# Allegro board TDI_KU5P_QSFP28_CXP_V001-20240805_1841.brd (continued)
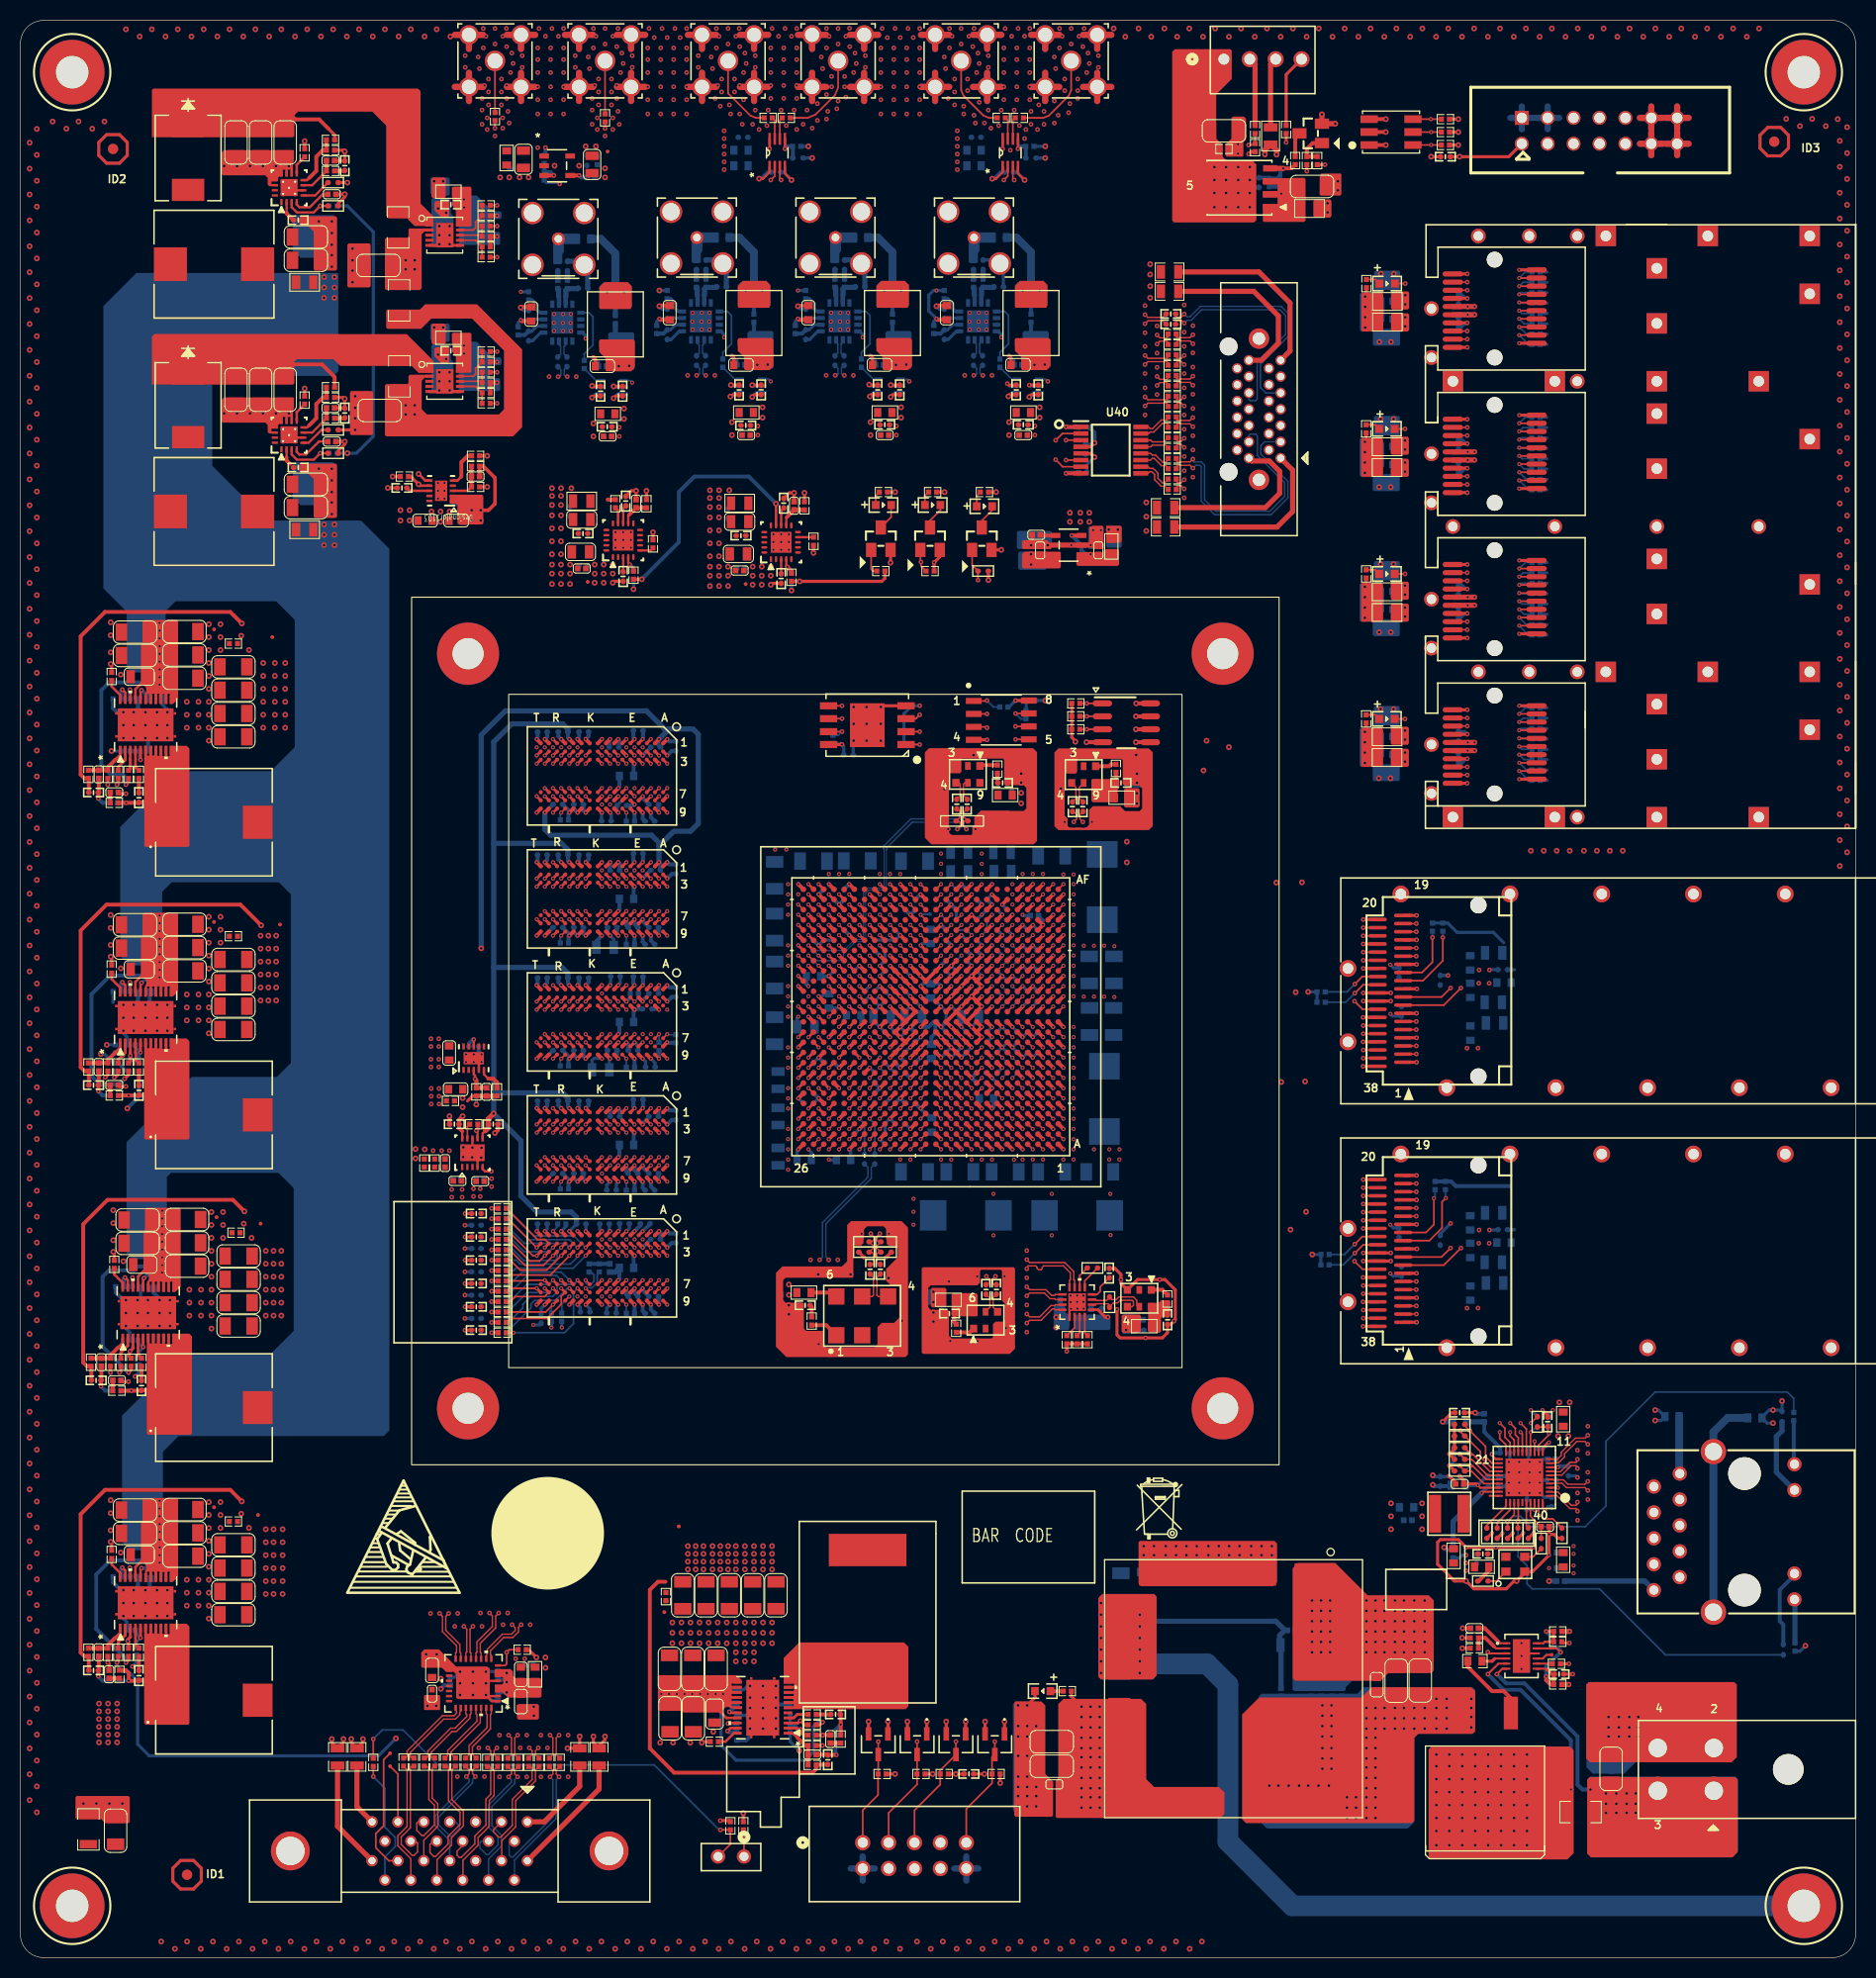
[diagram p0: board, top side]
## Routing (per net, layer and track width the routed paths; a pad name or vN(x,y) marks a point on that pad's centre or on a via; arc(x,y) is an arc through that point) (continued)
  GND02 w0.61: J3.13 162.5,179.02 ; J3.13 163.62,177.9 ; J3.13 161.38,177.9 ; J3.13 162.5,176.78 ; 88.33,183.48 J15.5 ; J15.5 89.72,184.86 ; J15.5 89.72,182.09 ; J15.5 91.1,183.48 ; 104.23,188.58 J17.3 ; J17.3 105.62,187.2 ; J17.3 107,188.58 ; 99.13,183.48 J17.5 ; J17.5 101.9,183.48 ; J17.5 100.51,184.86 ; J17.5 100.51,182.09 ; 53.41,188.58 J16.4 ; J16.4 54.79,187.2 ; J16.4 56.18,188.58 ; 76.27,183.48 J20.5 ; J20.5 77.65,184.86 ; J20.5 79.04,183.48 ; J20.5 77.65,182.09 ; 147.26,179.32 J3.2 ; J3.2 148.38,180.44 ; J3.2 146.14,180.44 ; J3.2 147.26,181.56 ; J3.4 149.8,181.56 ; J3.4 149.8,179.32 ; J3.4 148.68,180.44 ; J3.4 150.92,180.44 ; 100.51,187.2 J17.4 ; J17.4 99.13,188.58 ; J17.4 101.9,188.58 ; J18.5 45.38,183.48 ; J18.5 44,184.86 ; J18.5 44,182.09 ; J18.5 42.61,183.48 ; 65.47,183.48 J19.5 ; J19.5 66.86,184.86 ; J19.5 66.86,182.09 ; J19.5 68.24,183.48 ; J17.2 105.62,184.86 ; J17.2 105.62,182.09 ; J17.2 104.23,183.48 ; J17.2 107,183.48 ; 71.96,187.2 J19.3 ; J19.3 73.35,188.58 ; J19.3 70.58,188.58 ; J18.2 50.49,183.48 ; J18.2 49.1,184.86 ; J18.2 49.1,182.09 ; J18.2 47.72,183.48 ; J3.12 161.08,180.44 ; J3.12 159.96,179.32 ; J3.12 159.96,181.56 ; J3.12 158.84,180.44 ; J1.10 93.96,8.74 ; J1.10 92.78,9.92 ; J1.10 91.59,8.74 ; J1.10 92.78,7.56 ; 81.37,188.58 J20.3 ; J20.3 84.14,188.58 ; J20.3 82.76,187.2 ; 42.61,188.58 J18.4 ; J18.4 44,187.2 ; J18.4 45.38,188.58 ; J19.4 68.24,188.58 ; J19.4 66.86,187.2 ; J19.4 65.47,188.58 ; 59.9,187.2 J16.3 ; J16.3 58.51,188.58 ; J16.3 61.28,188.58 ; 81.37,183.48 J20.2 ; J20.2 84.14,183.48 ; J20.2 82.76,184.86 ; J20.2 82.76,182.09 ; J19.2 71.96,184.86 ; J19.2 73.35,183.48 ; J19.2 70.58,183.48 ; J19.2 71.96,182.09 ; 47.72,188.58 J18.3 ; J18.3 50.49,188.58 ; J18.3 49.1,187.2 ; J3.11 159.96,179.02 ; J3.11 161.08,177.9 ; J3.11 158.84,177.9 ; J3.11 159.96,176.78 ; 88.33,188.58 J15.4 ; J15.4 89.72,187.2 ; J15.4 91.1,188.58 ; 94.82,182.09 J15.2 ; J15.2 94.82,184.86 ; J15.2 96.21,183.48 ; J15.2 93.44,183.48 ; 81.43,8.74 J1.2 ; J1.2 82.62,7.56 ; J1.2 83.8,8.74 ; J1.2 82.62,9.92 ; 54.79,182.09 J16.5 ; J16.5 53.41,183.48 ; J16.5 56.18,183.48 ; J16.5 54.79,184.86 ; J3.14 162.5,181.56 ; J3.14 163.62,180.44 ; J3.14 161.38,180.44 ; J3.14 162.5,179.32 ; 93.44,188.58 J15.3 ; J15.3 94.82,187.2 ; J15.3 96.21,188.58 ; J16.2 61.28,183.48 ; J16.2 58.51,183.48 ; J16.2 59.9,184.86 ; J16.2 59.9,182.09 ; 76.27,188.58 J20.4 ; J20.4 77.65,187.2 ; J20.4 79.04,188.58
  ART03 w0.61: J17.4 101.9,188.58 ; J17.4 100.51,187.2 ; J17.4 99.13,188.58 ; 76.27,188.58 J20.4 ; J20.4 77.65,187.2 ; J20.4 79.04,188.58 ; 76.27,183.48 J20.5 ; J20.5 77.65,184.86 ; J20.5 77.65,182.09 ; J20.5 79.04,183.48 ; 158.84,177.9 J3.11 ; J3.11 159.96,179.02 ; J3.11 159.96,176.78 ; J3.11 161.08,177.9 ; J3.13 162.5,179.02 ; J3.13 162.5,176.78 ; J3.13 163.62,177.9 ; J3.13 161.38,177.9 ; 53.41,183.48 J16.5 ; J16.5 54.79,182.09 ; J16.5 54.79,184.86 ; J16.5 56.18,183.48 ; 88.33,183.48 J15.5 ; J15.5 89.72,184.86 ; J15.5 89.72,182.09 ; J15.5 91.1,183.48 ; 65.47,188.58 J19.4 ; J19.4 68.24,188.58 ; J19.4 66.86,187.2 ; J19.5 68.24,183.48 ; J19.5 66.86,184.86 ; J19.5 66.86,182.09 ; J19.5 65.47,183.48 ; 49.1,182.09 J18.2 ; J18.2 50.49,183.48 ; J18.2 47.72,183.48 ; J18.2 49.1,184.86 ; J16.2 61.28,183.48 ; J16.2 58.51,183.48 ; J16.2 59.9,184.86 ; J16.2 59.9,182.09 ; 81.37,188.58 J20.3 ; J20.3 82.76,187.2 ; J20.3 84.14,188.58 ; 54.79,187.2 J16.4 ; J16.4 56.18,188.58 ; J16.4 53.41,188.58 ; J20.2 82.76,184.86 ; J20.2 82.76,182.09 ; J20.2 81.37,183.48 ; J20.2 84.14,183.48 ; 44,182.09 J18.5 ; J18.5 42.61,183.48 ; J18.5 45.38,183.48 ; J18.5 44,184.86 ; 42.61,188.58 J18.4 ; J18.4 45.38,188.58 ; J18.4 44,187.2 ; 94.82,182.09 J15.2 ; J15.2 94.82,184.86 ; J15.2 93.44,183.48 ; J15.2 96.21,183.48 ; J15.4 91.1,188.58 ; J15.4 89.72,187.2 ; J15.4 88.33,188.58 ; J15.3 96.21,188.58 ; J15.3 93.44,188.58 ; J15.3 94.82,187.2 ; 105.62,182.09 J17.2 ; J17.2 105.62,184.86 ; J17.2 104.23,183.48 ; J17.2 107,183.48 ; J17.3 107,188.58 ; J17.3 105.62,187.2 ; J17.3 104.23,188.58 ; J16.3 61.28,188.58 ; J16.3 58.51,188.58 ; J16.3 59.9,187.2 ; J3.14 162.5,181.56 ; J3.14 162.5,179.32 ; J3.14 163.62,180.44 ; J3.14 161.38,180.44 ; J3.12 161.08,180.44 ; J3.12 158.84,180.44 ; J3.12 159.96,181.56 ; J3.12 159.96,179.32 ; J17.5 101.9,183.48 ; J17.5 99.13,183.48 ; J17.5 100.51,182.09 ; J17.5 100.51,184.86 ; 49.1,187.2 J18.3 ; J18.3 47.72,188.58 ; J18.3 50.49,188.58 ; J19.2 71.96,184.86 ; J19.2 73.35,183.48 ; J19.2 71.96,182.09 ; J19.2 70.58,183.48 ; J19.3 73.35,188.58 ; J19.3 70.58,188.58 ; J19.3 71.96,187.2
  GND04 w0.61: 99.13,188.58 J17.4 ; J17.4 101.9,188.58 ; J17.4 100.51,187.2 ; J17.5 101.9,183.48 ; J17.5 100.51,184.86 ; J17.5 100.51,182.09 ; J17.5 99.13,183.48 ; J20.2 82.76,184.86 ; J20.2 84.14,183.48 ; J20.2 81.37,183.48 ; J20.2 82.76,182.09 ; 162.5,179.32 J3.14 ; J3.14 163.62,180.44 ; J3.14 161.38,180.44 ; J3.14 162.5,181.56 ; 159.96,179.32 J3.12 ; J3.12 159.96,181.56 ; J3.12 161.08,180.44 ; J3.12 158.84,180.44 ; J16.5 54.79,184.86 ; J16.5 53.41,183.48 ; J16.5 54.79,182.09 ; J16.5 56.18,183.48 ; J18.5 44,184.86 ; J18.5 42.61,183.48 ; J18.5 45.38,183.48 ; J18.5 44,182.09 ; J17.2 107,183.48 ; J17.2 104.23,183.48 ; J17.2 105.62,182.09 ; J17.2 105.62,184.86 ; 71.96,187.2 J19.3 ; J19.3 70.58,188.58 ; J19.3 73.35,188.58 ; J1.10 93.96,8.74 ; J1.10 91.59,8.74 ; J1.10 92.78,9.92 ; J1.10 92.78,7.56 ; J3.4 150.92,180.44 ; J3.4 149.8,181.56 ; J3.4 149.8,179.32 ; J3.4 148.68,180.44 ; J16.3 61.28,188.58 ; J16.3 59.9,187.2 ; J16.3 58.51,188.58 ; 158.84,177.9 J3.11 ; J3.11 159.96,179.02 ; J3.11 161.08,177.9 ; J3.11 159.96,176.78 ; J18.3 50.49,188.58 ; J18.3 49.1,187.2 ; J18.3 47.72,188.58 ; 47.72,183.48 J18.2 ; J18.2 49.1,182.09 ; J18.2 49.1,184.86 ; J18.2 50.49,183.48 ; J1.2 83.8,8.74 ; J1.2 81.43,8.74 ; J1.2 82.62,9.92 ; J1.2 82.62,7.56 ; J3.2 147.26,181.56 ; J3.2 148.38,180.44 ; J3.2 146.14,180.44 ; J3.2 147.26,179.32 ; 81.37,188.58 J20.3 ; J20.3 82.76,187.2 ; J20.3 84.14,188.58 ; 66.86,187.2 J19.4 ; J19.4 65.47,188.58 ; J19.4 68.24,188.58 ; 162.5,176.78 J3.13 ; J3.13 163.62,177.9 ; J3.13 162.5,179.02 ; J3.13 161.38,177.9 ; 44,187.2 J18.4 ; J18.4 45.38,188.58 ; J18.4 42.61,188.58 ; 53.41,188.58 J16.4 ; J16.4 54.79,187.2 ; J16.4 56.18,188.58 ; 88.33,188.58 J15.4 ; J15.4 89.72,187.2 ; J15.4 91.1,188.58 ; 94.82,182.09 J15.2 ; J15.2 94.82,184.86 ; J15.2 93.44,183.48 ; J15.2 96.21,183.48 ; 105.62,187.2 J17.3 ; J17.3 104.23,188.58 ; J17.3 107,188.58 ; 77.65,182.09 J20.5 ; J20.5 77.65,184.86 ; J20.5 76.27,183.48 ; J20.5 79.04,183.48 ; 65.47,183.48 J19.5 ; J19.5 66.86,182.09 ; J19.5 68.24,183.48 ; J19.5 66.86,184.86 ; J19.2 73.35,183.48 ; J19.2 71.96,182.09 ; J19.2 71.96,184.86 ; J19.2 70.58,183.48 ; 58.51,183.48 J16.2 ; J16.2 61.28,183.48 ; J16.2 59.9,182.09 ; J16.2 59.9,184.86 ; 77.65,187.2 J20.4 ; J20.4 79.04,188.58 ; J20.4 76.27,188.58 ; J15.5 89.72,184.86 ; J15.5 91.1,183.48 ; J15.5 89.72,182.09 ; J15.5 88.33,183.48 ; 93.44,188.58 J15.3 ; J15.3 94.82,187.2 ; J15.3 96.21,188.58
  ART05 w0.61: J16.2 61.28,183.48 ; J16.2 59.9,182.09 ; J16.2 58.51,183.48 ; J16.2 59.9,184.86 ; J3.14 162.5,181.56 ; J3.14 161.38,180.44 ; J3.14 162.5,179.32 ; J3.14 163.62,180.44 ; J20.2 84.14,183.48 ; J20.2 82.76,184.86 ; J20.2 82.76,182.09 ; J20.2 81.37,183.48 ; J19.2 71.96,184.86 ; J19.2 73.35,183.48 ; J19.2 71.96,182.09 ; J19.2 70.58,183.48 ; J18.2 50.49,183.48 ; J18.2 47.72,183.48 ; J18.2 49.1,184.86 ; J18.2 49.1,182.09 ; 77.65,182.09 J20.5 ; J20.5 79.04,183.48 ; J20.5 76.27,183.48 ; J20.5 77.65,184.86 ; 65.47,188.58 J19.4 ; J19.4 66.86,187.2 ; J19.4 68.24,188.58 ; J15.5 91.1,183.48 ; J15.5 89.72,182.09 ; J15.5 89.72,184.86 ; J15.5 88.33,183.48 ; 76.27,188.58 J20.4 ; J20.4 79.04,188.58 ; J20.4 77.65,187.2 ; J15.4 91.1,188.58 ; J15.4 88.33,188.58 ; J15.4 89.72,187.2 ; J3.13 163.62,177.9 ; J3.13 162.5,179.02 ; J3.13 162.5,176.78 ; J3.13 161.38,177.9 ; 93.44,188.58 J15.3 ; J15.3 96.21,188.58 ; J15.3 94.82,187.2 ; J16.5 54.79,184.86 ; J16.5 53.41,183.48 ; J16.5 54.79,182.09 ; J16.5 56.18,183.48 ; J17.3 107,188.58 ; J17.3 105.62,187.2 ; J17.3 104.23,188.58 ; 59.9,187.2 J16.3 ; J16.3 61.28,188.58 ; J16.3 58.51,188.58 ; 147.26,179.32 J3.2 ; J3.2 146.14,180.44 ; J3.2 148.38,180.44 ; J3.2 147.26,181.56 ; J17.4 101.9,188.58 ; J17.4 100.51,187.2 ; J17.4 99.13,188.58 ; J17.2 105.62,184.86 ; J17.2 105.62,182.09 ; J17.2 107,183.48 ; J17.2 104.23,183.48 ; J18.4 45.38,188.58 ; J18.4 44,187.2 ; J18.4 42.61,188.58 ; J19.5 68.24,183.48 ; J19.5 66.86,182.09 ; J19.5 65.47,183.48 ; J19.5 66.86,184.86 ; J16.4 56.18,188.58 ; J16.4 54.79,187.2 ; J16.4 53.41,188.58 ; J17.5 101.9,183.48 ; J17.5 100.51,182.09 ; J17.5 99.13,183.48 ; J17.5 100.51,184.86 ; J19.3 73.35,188.58 ; J19.3 70.58,188.58 ; J19.3 71.96,187.2 ; 42.61,183.48 J18.5 ; J18.5 45.38,183.48 ; J18.5 44,184.86 ; J18.5 44,182.09 ; 149.8,179.32 J3.4 ; J3.4 150.92,180.44 ; J3.4 149.8,181.56 ; J3.4 148.68,180.44 ; J3.11 161.08,177.9 ; J3.11 159.96,176.78 ; J3.11 159.96,179.02 ; J3.11 158.84,177.9 ; 47.72,188.58 J18.3 ; J18.3 50.49,188.58 ; J18.3 49.1,187.2 ; 159.96,179.32 J3.12 ; J3.12 159.96,181.56 ; J3.12 158.84,180.44 ; J3.12 161.08,180.44 ; 81.37,188.58 J20.3 ; J20.3 82.76,187.2 ; J20.3 84.14,188.58 ; J15.2 94.82,184.86 ; J15.2 94.82,182.09 ; J15.2 96.21,183.48 ; J15.2 93.44,183.48
  GND06 w0.61: J17.2 107,183.48 ; J17.2 105.62,184.86 ; J17.2 104.23,183.48 ; J17.2 105.62,182.09 ; 81.37,183.48 J20.2 ; J20.2 82.76,182.09 ; J20.2 82.76,184.86 ; J20.2 84.14,183.48 ; 42.61,188.58 J18.4 ; J18.4 44,187.2 ; J18.4 45.38,188.58 ; 47.72,188.58 J18.3 ; J18.3 49.1,187.2 ; J18.3 50.49,188.58 ; 82.76,187.2 J20.3 ; J20.3 84.14,188.58 ; J20.3 81.37,188.58 ; J3.12 161.08,180.44 ; J3.12 158.84,180.44 ; J3.12 159.96,181.56 ; J3.12 159.96,179.32 ; 159.96,176.78 J3.11 ; J3.11 159.96,179.02 ; J3.11 161.08,177.9 ; J3.11 158.84,177.9 ; 93.44,188.58 J15.3 ; J15.3 94.82,187.2 ; J15.3 96.21,188.58 ; J19.3 73.35,188.58 ; J19.3 70.58,188.58 ; J19.3 71.96,187.2 ; J16.5 56.18,183.48 ; J16.5 53.41,183.48 ; J16.5 54.79,184.86 ; J16.5 54.79,182.09 ; 94.82,182.09 J15.2 ; J15.2 93.44,183.48 ; J15.2 96.21,183.48 ; J15.2 94.82,184.86 ; 105.62,187.2 J17.3 ; J17.3 107,188.58 ; J17.3 104.23,188.58 ; J3.2 147.26,181.56 ; J3.2 148.38,180.44 ; J3.2 147.26,179.32 ; J3.2 146.14,180.44 ; 65.47,188.58 J19.4 ; J19.4 68.24,188.58 ; J19.4 66.86,187.2 ; 54.79,187.2 J16.4 ; J16.4 56.18,188.58 ; J16.4 53.41,188.58 ; J19.5 66.86,184.86 ; J19.5 65.47,183.48 ; J19.5 68.24,183.48 ; J19.5 66.86,182.09 ; 99.13,188.58 J17.4 ; J17.4 100.51,187.2 ; J17.4 101.9,188.58 ; J18.5 44,184.86 ; J18.5 44,182.09 ; J18.5 45.38,183.48 ; J18.5 42.61,183.48 ; J18.2 50.49,183.48 ; J18.2 49.1,184.86 ; J18.2 47.72,183.48 ; J18.2 49.1,182.09 ; J19.2 71.96,184.86 ; J19.2 71.96,182.09 ; J19.2 73.35,183.48 ; J19.2 70.58,183.48 ; J15.5 89.72,184.86 ; J15.5 88.33,183.48 ; J15.5 89.72,182.09 ; J15.5 91.1,183.48 ; 99.13,183.48 J17.5 ; J17.5 100.51,184.86 ; J17.5 101.9,183.48 ; J17.5 100.51,182.09 ; J16.3 61.28,188.58 ; J16.3 59.9,187.2 ; J16.3 58.51,188.58 ; J3.13 163.62,177.9 ; J3.13 162.5,179.02 ; J3.13 162.5,176.78 ; J3.13 161.38,177.9 ; J15.4 91.1,188.58 ; J15.4 89.72,187.2 ; J15.4 88.33,188.58 ; J3.14 162.5,181.56 ; J3.14 163.62,180.44 ; J3.14 162.5,179.32 ; J3.14 161.38,180.44 ; 82.62,7.56 J1.2 ; J1.2 81.43,8.74 ; J1.2 82.62,9.92 ; J1.2 83.8,8.74 ; 77.65,187.2 J20.4 ; J20.4 76.27,188.58 ; J20.4 79.04,188.58 ; 58.51,183.48 J16.2 ; J16.2 61.28,183.48 ; J16.2 59.9,182.09 ; J16.2 59.9,184.86 ; J3.4 149.8,181.56 ; J3.4 149.8,179.32 ; J3.4 150.92,180.44 ; J3.4 148.68,180.44 ; J1.10 92.78,9.92 ; J1.10 91.59,8.74 ; J1.10 93.96,8.74 ; J1.10 92.78,7.56 ; 77.65,182.09 J20.5 ; J20.5 77.65,184.86 ; J20.5 76.27,183.48 ; J20.5 79.04,183.48
  GND09 w0.61: J3.4 150.92,180.44 ; J3.4 149.8,181.56 ; J3.4 148.68,180.44 ; J3.4 149.8,179.32 ; J20.3 84.14,188.58 ; J20.3 81.37,188.58 ; J20.3 82.76,187.2 ; 82.62,7.56 J1.2 ; J1.2 83.8,8.74 ; J1.2 81.43,8.74 ; J1.2 82.62,9.92 ; J18.5 45.38,183.48 ; J18.5 44,182.09 ; J18.5 42.61,183.48 ; J18.5 44,184.86 ; 161.38,177.9 J3.13 ; J3.13 162.5,179.02 ; J3.13 162.5,176.78 ; J3.13 163.62,177.9 ; J20.5 79.04,183.48 ; J20.5 76.27,183.48 ; J20.5 77.65,184.86 ; J20.5 77.65,182.09 ; 59.9,187.2 J16.3 ; J16.3 61.28,188.58 ; J16.3 58.51,188.58 ; 146.14,180.44 J3.2 ; J3.2 148.38,180.44 ; J3.2 147.26,179.32 ; J3.2 147.26,181.56 ; J3.14 162.5,181.56 ; J3.14 162.5,179.32 ; J3.14 161.38,180.44 ; J3.14 163.62,180.44 ; J19.3 73.35,188.58 ; J19.3 70.58,188.58 ; J19.3 71.96,187.2 ; J15.2 94.82,184.86 ; J15.2 94.82,182.09 ; J15.2 93.44,183.48 ; J15.2 96.21,183.48 ; 91.59,8.74 J1.10 ; J1.10 92.78,9.92 ; J1.10 92.78,7.56 ; J1.10 93.96,8.74 ; J19.2 73.35,183.48 ; J19.2 71.96,184.86 ; J19.2 70.58,183.48 ; J19.2 71.96,182.09 ; 65.47,183.48 J19.5 ; J19.5 68.24,183.48 ; J19.5 66.86,184.86 ; J19.5 66.86,182.09 ; 105.62,182.09 J17.2 ; J17.2 105.62,184.86 ; J17.2 104.23,183.48 ; J17.2 107,183.48 ; J17.4 101.9,188.58 ; J17.4 100.51,187.2 ; J17.4 99.13,188.58 ; 104.23,188.58 J17.3 ; J17.3 105.62,187.2 ; J17.3 107,188.58 ; 100.51,182.09 J17.5 ; J17.5 101.9,183.48 ; J17.5 100.51,184.86 ; J17.5 99.13,183.48 ; 89.72,187.2 J15.4 ; J15.4 91.1,188.58 ; J15.4 88.33,188.58 ; J19.4 68.24,188.58 ; J19.4 66.86,187.2 ; J19.4 65.47,188.58 ; J20.4 79.04,188.58 ; J20.4 76.27,188.58 ; J20.4 77.65,187.2 ; 88.33,183.48 J15.5 ; J15.5 89.72,182.09 ; J15.5 89.72,184.86 ; J15.5 91.1,183.48 ; J3.12 161.08,180.44 ; J3.12 158.84,180.44 ; J3.12 159.96,181.56 ; J3.12 159.96,179.32 ; J20.2 82.76,184.86 ; J20.2 81.37,183.48 ; J20.2 82.76,182.09 ; J20.2 84.14,183.48 ; 47.72,183.48 J18.2 ; J18.2 49.1,182.09 ; J18.2 49.1,184.86 ; J18.2 50.49,183.48 ; 54.79,187.2 J16.4 ; J16.4 56.18,188.58 ; J16.4 53.41,188.58 ; 159.96,176.78 J3.11 ; J3.11 161.08,177.9 ; J3.11 158.84,177.9 ; J3.11 159.96,179.02 ; J18.3 50.49,188.58 ; J18.3 49.1,187.2 ; J18.3 47.72,188.58 ; 94.82,187.2 J15.3 ; J15.3 93.44,188.58 ; J15.3 96.21,188.58 ; J16.2 59.9,184.86 ; J16.2 58.51,183.48 ; J16.2 61.28,183.48 ; J16.2 59.9,182.09 ; 53.41,183.48 J16.5 ; J16.5 54.79,182.09 ; J16.5 54.79,184.86 ; J16.5 56.18,183.48 ; 42.61,188.58 J18.4 ; J18.4 44,187.2 ; J18.4 45.38,188.58
  ART10 w0.61: J15.2 94.82,184.86 ; J15.2 94.82,182.09 ; J15.2 93.44,183.48 ; J15.2 96.21,183.48 ; J3.13 163.62,177.9 ; J3.13 161.38,177.9 ; J3.13 162.5,176.78 ; J3.13 162.5,179.02 ; J17.3 107,188.58 ; J17.3 104.23,188.58 ; J17.3 105.62,187.2 ; 88.33,188.58 J15.4 ; J15.4 91.1,188.58 ; J15.4 89.72,187.2 ; J16.3 61.28,188.58 ; J16.3 58.51,188.58 ; J16.3 59.9,187.2 ; 66.86,182.09 J19.5 ; J19.5 66.86,184.86 ; J19.5 68.24,183.48 ; J19.5 65.47,183.48 ; J3.11 159.96,179.02 ; J3.11 161.08,177.9 ; J3.11 158.84,177.9 ; J3.11 159.96,176.78 ; J16.5 54.79,184.86 ; J16.5 54.79,182.09 ; J16.5 53.41,183.48 ; J16.5 56.18,183.48 ; 77.65,187.2 J20.4 ; J20.4 79.04,188.58 ; J20.4 76.27,188.58 ; 49.1,182.09 J18.2 ; J18.2 50.49,183.48 ; J18.2 49.1,184.86 ; J18.2 47.72,183.48 ; 66.86,187.2 J19.4 ; J19.4 65.47,188.58 ; J19.4 68.24,188.58 ; J20.3 84.14,188.58 ; J20.3 81.37,188.58 ; J20.3 82.76,187.2 ; J17.5 100.51,184.86 ; J17.5 100.51,182.09 ; J17.5 101.9,183.48 ; J17.5 99.13,183.48 ; 149.8,179.32 J3.4 ; J3.4 149.8,181.56 ; J3.4 148.68,180.44 ; J3.4 150.92,180.44 ; J3.14 162.5,181.56 ; J3.14 163.62,180.44 ; J3.14 162.5,179.32 ; J3.14 161.38,180.44 ; 71.96,182.09 J19.2 ; J19.2 71.96,184.86 ; J19.2 73.35,183.48 ; J19.2 70.58,183.48 ; J16.2 61.28,183.48 ; J16.2 59.9,184.86 ; J16.2 58.51,183.48 ; J16.2 59.9,182.09 ; J3.2 147.26,181.56 ; J3.2 146.14,180.44 ; J3.2 147.26,179.32 ; J3.2 148.38,180.44 ; 88.33,183.48 J15.5 ; J15.5 91.1,183.48 ; J15.5 89.72,184.86 ; J15.5 89.72,182.09 ; 42.61,183.48 J18.5 ; J18.5 44,184.86 ; J18.5 44,182.09 ; J18.5 45.38,183.48 ; J15.3 96.21,188.58 ; J15.3 93.44,188.58 ; J15.3 94.82,187.2 ; 42.61,188.58 J18.4 ; J18.4 44,187.2 ; J18.4 45.38,188.58 ; J16.4 56.18,188.58 ; J16.4 53.41,188.58 ; J16.4 54.79,187.2 ; 100.51,187.2 J17.4 ; J17.4 101.9,188.58 ; J17.4 99.13,188.58 ; 159.96,179.32 J3.12 ; J3.12 161.08,180.44 ; J3.12 159.96,181.56 ; J3.12 158.84,180.44 ; J20.5 77.65,184.86 ; J20.5 76.27,183.48 ; J20.5 77.65,182.09 ; J20.5 79.04,183.48 ; J20.2 82.76,184.86 ; J20.2 81.37,183.48 ; J20.2 84.14,183.48 ; J20.2 82.76,182.09 ; 105.62,182.09 J17.2 ; J17.2 104.23,183.48 ; J17.2 105.62,184.86 ; J17.2 107,183.48 ; 71.96,187.2 J19.3 ; J19.3 73.35,188.58 ; J19.3 70.58,188.58 ; J18.3 50.49,188.58 ; J18.3 47.72,188.58 ; J18.3 49.1,187.2
  GND11 w0.61: 82.76,187.2 J20.3 ; J20.3 84.14,188.58 ; J20.3 81.37,188.58 ; 82.76,182.09 J20.2 ; J20.2 82.76,184.86 ; J20.2 81.37,183.48 ; J20.2 84.14,183.48 ; J16.5 54.79,184.86 ; J16.5 56.18,183.48 ; J16.5 53.41,183.48 ; J16.5 54.79,182.09 ; J20.5 77.65,184.86 ; J20.5 77.65,182.09 ; J20.5 79.04,183.48 ; J20.5 76.27,183.48 ; 42.61,183.48 J18.5 ; J18.5 44,184.86 ; J18.5 45.38,183.48 ; J18.5 44,182.09 ; 42.61,188.58 J18.4 ; J18.4 44,187.2 ; J18.4 45.38,188.58 ; J15.5 89.72,184.86 ; J15.5 89.72,182.09 ; J15.5 88.33,183.48 ; J15.5 91.1,183.48 ; J19.5 66.86,184.86 ; J19.5 66.86,182.09 ; J19.5 68.24,183.48 ; J19.5 65.47,183.48 ; J15.2 96.21,183.48 ; J15.2 93.44,183.48 ; J15.2 94.82,184.86 ; J15.2 94.82,182.09 ; 159.96,179.32 J3.12 ; J3.12 159.96,181.56 ; J3.12 158.84,180.44 ; J3.12 161.08,180.44 ; J19.2 71.96,184.86 ; J19.2 71.96,182.09 ; J19.2 73.35,183.48 ; J19.2 70.58,183.48 ; J16.2 61.28,183.48 ; J16.2 58.51,183.48 ; J16.2 59.9,184.86 ; J16.2 59.9,182.09 ; J15.3 96.21,188.58 ; J15.3 93.44,188.58 ; J15.3 94.82,187.2 ; 49.1,187.2 J18.3 ; J18.3 50.49,188.58 ; J18.3 47.72,188.58 ; 88.33,188.58 J15.4 ; J15.4 91.1,188.58 ; J15.4 89.72,187.2 ; J3.14 162.5,181.56 ; J3.14 161.38,180.44 ; J3.14 163.62,180.44 ; J3.14 162.5,179.32 ; 146.14,180.44 J3.2 ; J3.2 147.26,179.32 ; J3.2 148.38,180.44 ; J3.2 147.26,181.56 ; 92.78,7.56 J1.10 ; J1.10 92.78,9.92 ; J1.10 93.96,8.74 ; J1.10 91.59,8.74 ; J3.13 162.5,179.02 ; J3.13 163.62,177.9 ; J3.13 161.38,177.9 ; J3.13 162.5,176.78 ; 53.41,188.58 J16.4 ; J16.4 54.79,187.2 ; J16.4 56.18,188.58 ; J3.4 150.92,180.44 ; J3.4 148.68,180.44 ; J3.4 149.8,181.56 ; J3.4 149.8,179.32 ; J1.2 82.62,9.92 ; J1.2 83.8,8.74 ; J1.2 82.62,7.56 ; J1.2 81.43,8.74 ; 104.23,188.58 J17.3 ; J17.3 105.62,187.2 ; J17.3 107,188.58 ; 76.27,188.58 J20.4 ; J20.4 79.04,188.58 ; J20.4 77.65,187.2 ; J18.2 49.1,184.86 ; J18.2 47.72,183.48 ; J18.2 50.49,183.48 ; J18.2 49.1,182.09 ; J17.5 100.51,184.86 ; J17.5 99.13,183.48 ; J17.5 100.51,182.09 ; J17.5 101.9,183.48 ; 59.9,187.2 J16.3 ; J16.3 61.28,188.58 ; J16.3 58.51,188.58 ; 159.96,176.78 J3.11 ; J3.11 159.96,179.02 ; J3.11 158.84,177.9 ; J3.11 161.08,177.9 ; J17.4 101.9,188.58 ; J17.4 100.51,187.2 ; J17.4 99.13,188.58 ; J17.2 107,183.48 ; J17.2 104.23,183.48 ; J17.2 105.62,184.86 ; J17.2 105.62,182.09 ; 65.47,188.58 J19.4 ; J19.4 68.24,188.58 ; J19.4 66.86,187.2 ; 71.96,187.2 J19.3 ; J19.3 73.35,188.58 ; J19.3 70.58,188.58
  ART12 w0.61: 93.44,188.58 J15.3 ; J15.3 94.82,187.2 ; J15.3 96.21,188.58 ; 159.96,176.78 J3.11 ; J3.11 158.84,177.9 ; J3.11 159.96,179.02 ; J3.11 161.08,177.9 ; J3.14 163.62,180.44 ; J3.14 162.5,179.32 ; J3.14 161.38,180.44 ; J3.14 162.5,181.56 ; J20.5 77.65,184.86 ; J20.5 77.65,182.09 ; J20.5 79.04,183.48 ; J20.5 76.27,183.48 ; 82.62,7.56 J1.2 ; J1.2 83.8,8.74 ; J1.2 82.62,9.92 ; J1.2 81.43,8.74 ; 99.13,183.48 J17.5 ; J17.5 100.51,182.09 ; J17.5 100.51,184.86 ; J17.5 101.9,183.48 ; 81.37,183.48 J20.2 ; J20.2 82.76,182.09 ; J20.2 82.76,184.86 ; J20.2 84.14,183.48 ; 82.76,187.2 J20.3 ; J20.3 84.14,188.58 ; J20.3 81.37,188.58 ; J1.10 92.78,9.92 ; J1.10 91.59,8.74 ; J1.10 92.78,7.56 ; J1.10 93.96,8.74 ; J15.4 91.1,188.58 ; J15.4 89.72,187.2 ; J15.4 88.33,188.58 ; 53.41,188.58 J16.4 ; J16.4 56.18,188.58 ; J16.4 54.79,187.2 ; J3.12 161.08,180.44 ; J3.12 159.96,181.56 ; J3.12 158.84,180.44 ; J3.12 159.96,179.32 ; 65.47,183.48 J19.5 ; J19.5 66.86,182.09 ; J19.5 68.24,183.48 ; J19.5 66.86,184.86 ; J16.2 61.28,183.48 ; J16.2 59.9,184.86 ; J16.2 59.9,182.09 ; J16.2 58.51,183.48 ; 104.23,188.58 J17.3 ; J17.3 105.62,187.2 ; J17.3 107,188.58 ; J16.5 56.18,183.48 ; J16.5 54.79,182.09 ; J16.5 54.79,184.86 ; J16.5 53.41,183.48 ; J19.3 73.35,188.58 ; J19.3 70.58,188.58 ; J19.3 71.96,187.2 ; 94.82,182.09 J15.2 ; J15.2 94.82,184.86 ; J15.2 96.21,183.48 ; J15.2 93.44,183.48 ; 149.8,179.32 J3.4 ; J3.4 150.92,180.44 ; J3.4 148.68,180.44 ; J3.4 149.8,181.56 ; J18.2 50.49,183.48 ; J18.2 47.72,183.48 ; J18.2 49.1,184.86 ; J18.2 49.1,182.09 ; J19.2 73.35,183.48 ; J19.2 71.96,184.86 ; J19.2 71.96,182.09 ; J19.2 70.58,183.48 ; J17.4 101.9,188.58 ; J17.4 99.13,188.58 ; J17.4 100.51,187.2 ; J18.5 44,184.86 ; J18.5 42.61,183.48 ; J18.5 44,182.09 ; J18.5 45.38,183.48 ; J3.2 148.38,180.44 ; J3.2 146.14,180.44 ; J3.2 147.26,179.32 ; J3.2 147.26,181.56 ; 162.5,176.78 J3.13 ; J3.13 161.38,177.9 ; J3.13 162.5,179.02 ; J3.13 163.62,177.9 ; 77.65,187.2 J20.4 ; J20.4 76.27,188.58 ; J20.4 79.04,188.58 ; 104.23,183.48 J17.2 ; J17.2 107,183.48 ; J17.2 105.62,184.86 ; J17.2 105.62,182.09 ; 58.51,188.58 J16.3 ; J16.3 61.28,188.58 ; J16.3 59.9,187.2 ; J19.4 68.24,188.58 ; J19.4 66.86,187.2 ; J19.4 65.47,188.58 ; 89.72,182.09 J15.5 ; J15.5 89.72,184.86 ; J15.5 91.1,183.48 ; J15.5 88.33,183.48 ; 44,187.2 J18.4 ; J18.4 42.61,188.58 ; J18.4 45.38,188.58 ; J18.3 50.49,188.58 ; J18.3 49.1,187.2 ; J18.3 47.72,188.58
  GND13 w0.61: J15.5 89.72,184.86 ; J15.5 91.1,183.48 ; J15.5 88.33,183.48 ; J15.5 89.72,182.09 ; 161.38,180.44 J3.14 ; J3.14 163.62,180.44 ; J3.14 162.5,179.32 ; J3.14 162.5,181.56 ; 59.9,187.2 J16.3 ; J16.3 58.51,188.58 ; J16.3 61.28,188.58 ; J18.5 45.38,183.48 ; J18.5 44,184.86 ; J18.5 44,182.09 ; J18.5 42.61,183.48 ; 49.1,182.09 J18.2 ; J18.2 49.1,184.86 ; J18.2 47.72,183.48 ; J18.2 50.49,183.48 ; 81.43,8.74 J1.2 ; J1.2 83.8,8.74 ; J1.2 82.62,7.56 ; J1.2 82.62,9.92 ; 162.5,176.78 J3.13 ; J3.13 161.38,177.9 ; J3.13 163.62,177.9 ; J3.13 162.5,179.02 ; J17.2 107,183.48 ; J17.2 105.62,184.86 ; J17.2 105.62,182.09 ; J17.2 104.23,183.48 ; J3.12 159.96,181.56 ; J3.12 158.84,180.44 ; J3.12 159.96,179.32 ; J3.12 161.08,180.44 ; 146.14,180.44 J3.2 ; J3.2 147.26,179.32 ; J3.2 147.26,181.56 ; J3.2 148.38,180.44 ; J17.4 101.9,188.58 ; J17.4 99.13,188.58 ; J17.4 100.51,187.2 ; 93.44,188.58 J15.3 ; J15.3 96.21,188.58 ; J15.3 94.82,187.2 ; 49.1,187.2 J18.3 ; J18.3 47.72,188.58 ; J18.3 50.49,188.58 ; 71.96,187.2 J19.3 ; J19.3 70.58,188.58 ; J19.3 73.35,188.58 ; 81.37,183.48 J20.2 ; J20.2 82.76,184.86 ; J20.2 82.76,182.09 ; J20.2 84.14,183.48 ; 44,187.2 J18.4 ; J18.4 42.61,188.58 ; J18.4 45.38,188.58 ; 93.44,183.48 J15.2 ; J15.2 94.82,182.09 ; J15.2 94.82,184.86 ; J15.2 96.21,183.48 ; J19.5 68.24,183.48 ; J19.5 65.47,183.48 ; J19.5 66.86,184.86 ; J19.5 66.86,182.09 ; 54.79,182.09 J16.5 ; J16.5 54.79,184.86 ; J16.5 53.41,183.48 ; J16.5 56.18,183.48 ; 89.72,187.2 J15.4 ; J15.4 91.1,188.58 ; J15.4 88.33,188.58 ; J3.11 159.96,179.02 ; J3.11 158.84,177.9 ; J3.11 161.08,177.9 ; J3.11 159.96,176.78 ; J19.2 73.35,183.48 ; J19.2 71.96,184.86 ; J19.2 70.58,183.48 ; J19.2 71.96,182.09 ; J16.2 61.28,183.48 ; J16.2 58.51,183.48 ; J16.2 59.9,182.09 ; J16.2 59.9,184.86 ; J1.10 92.78,9.92 ; J1.10 93.96,8.74 ; J1.10 91.59,8.74 ; J1.10 92.78,7.56 ; 148.68,180.44 J3.4 ; J3.4 150.92,180.44 ; J3.4 149.8,179.32 ; J3.4 149.8,181.56 ; 100.51,182.09 J17.5 ; J17.5 99.13,183.48 ; J17.5 100.51,184.86 ; J17.5 101.9,183.48 ; J20.5 79.04,183.48 ; J20.5 76.27,183.48 ; J20.5 77.65,182.09 ; J20.5 77.65,184.86 ; J19.4 68.24,188.58 ; J19.4 66.86,187.2 ; J19.4 65.47,188.58 ; J20.3 84.14,188.58 ; J20.3 81.37,188.58 ; J20.3 82.76,187.2 ; J17.3 107,188.58 ; J17.3 105.62,187.2 ; J17.3 104.23,188.58 ; J20.4 79.04,188.58 ; J20.4 77.65,187.2 ; J20.4 76.27,188.58 ; 54.79,187.2 J16.4 ; J16.4 56.18,188.58 ; J16.4 53.41,188.58
  BOTTOM w0.305: v1(95.3,88.28) 94.86,88.72 C118.2 ; C117.2 U1.AC6 v1(97.3,102.28) ; v2(96.81,154.37) 97.04,154.14 U16.2 ; C261.2 141.33,163.13 141.73,162.73 v2(141.91,162.73) ; C22.2 76.17,79.16 v1(76.29,79.28) ; C110.2 94.86,95.85 v1(95.29,96.28) ; C123.1 U1.AA6 v1(97.3,100.28) 96.8,100.78 C122.2 ; C35.2 82.43,91.41 v1(82.29,91.27) ; R257.2 11.8,64.79 v3(11.5,64.49) ; U15.5 85.45,154.14 v3(85.36,154.23) ; v1(95.3,87.27) 94.86,87.72 C115.2 ; C242.2 141.38,134.63 141.78,134.23 v2(141.91,134.23) ; C326.2 147.93,48.7 v2(148.02,48.62) ; U1.M3 99.8,90.77 v1(99.3,90.27) ; v3(172.79,54.58) R188.2 172.66,53.7 v3(171.9,53.7) 171.52,53.7 170.82,53 L34.1 171.33,52.43 v3(171.9,52.43) ; C527.2 105.06,147.46 v3(105.35,147.17) 104.61,146.43 R339.2 ; v1(97.3,96.28) 97.74,95.84 C109.2 ; C257.2 141.3,145.65 141.73,146.08 v2(141.91,146.08) ; v1(134.36,67.11) 134.62,66.84 C231.2 ; v1(85.29,103.28) U1.AD17 C13.2 ; v1(53.04,71.24) 53.5,71.7 R69.1 ; C263.2 141.33,159.91 141.76,160.33 v2(141.91,160.33) ; v1(87.29,89.28) 87.23,89.28 C69.2 ; R36.2 85.8,86.77 v1(85.29,87.27) 84.8,87.77 R53.2 ; C225.2 144.89,71.36 v2(144.09,71.36) ; C15.2 v3(100.52,123.29) ; v1(100.3,101.28) 100.3,101.74 C107.2 ; v2(149.04,45.57) 149.46,45.15 C325.2 ; v1(83.37,157.1) 83.86,156.61 C292.1 ; C98.1 U1.A6 v1(97.3,79.28) ; v1(56.19,156.97) 56.68,156.49 C266.1 ; v1(87.29,81.27) 86.79,81.78 C24.2 ; R248.1 10.46,32.89 10.1,33.25 v3(10.1,33.5) ; C327.2 149.29,48.87 v2(149.04,48.62) ; v2(43.6,71.83) C213.2 ; v1(82.29,97.28) 81.8,96.78 R47.1 ; v1(95.3,99.28) 94.86,98.84 C113.2 ; C93.2 99.74,98.84 v1(99.3,99.28) ; C540.1 46.19,25.23 v3(45.66,25.76) ; C356.2 13.92,122.9 14.42,122.4 v3(14.42,122.15) ; C116.2 96.74,102.83 v1(96.29,103.28) ; R96.2 v1(53.1,61.8) ; v2(152.72,47.09) 152.55,47.26 C328.2 ; v3(58.19,154.1) 58.27,154.02 U11.5 ; v1(95.3,100.28) U1.AA8 R13.2 ; C83.2 87.8,89.78 v1(88.29,90.27) ; C119.2 U1.N6 v1(97.3,91.27) 97.74,90.83 C124.1 ; v3(10.1,90.91) 10.1,90.65 10.46,90.29 R236.1 ; C73.2 92.86,96.84 v1(93.3,97.28) 92.8,97.78 R5.2 ; C30.2 78.87,94.53 78.63,94.28 v1(78.29,94.28) ; v1(95.29,95.28) 94.86,94.85 C112.2 ; v2(141.91,131.83) 141.7,131.83 141.27,131.4 C251.2 ; v1(134.36,97.38) 134.67,97.07 C237.2 ; C9.2 89.61,80.96 v1(90.3,80.27) ; C88.2 85.74,90.83 v1(85.29,91.27) 85.37,91.35 C86.2 ; C184.2 57.89,95.42 v1(57.84,95.37) ; v2(141.91,119.98) 141.64,120.25 C246.2 ; C127.1 94.86,90.83 v1(95.3,91.27) ; v3(83.25,154.28) 83.31,154.28 83.45,154.14 U15.2 ; U1.K3 99.8,88.77 v1(99.3,88.28) ; v3(45.66,28.04) 45.68,28.06 C539.1 ; v1(69.78,157.1) 70.27,156.61 C268.1 ; C330.2 147.77,45.31 v2(148.02,45.57) ; v2(98.95,154.23) 99.04,154.14 U16.5 ; v3(71.57,23.47) 71.44,23.47 71.14,23.77 R194.2 ; C94.2 U1.F4 v1(99.3,84.27) ; v1(92.29,96.28) 91.8,95.79 U1.U11 ; v1(50.64,71.24) 50.73,71.33 C193.2 ; v1(99.3,97.28) 99.74,96.85 C96.2 ; v1(78.29,88.28) 77.8,87.78 C44.2 ; v1(95.3,98.28) 94.86,97.84 C120.2 ; R230.1 9.09,93.71 9.08,93.7 ; v1(134.36,71.88) 134.67,71.56 C229.2 ; v3(160.34,52.68) 160.91,52.68 L33.1 160.65,53.7 v3(160.34,53.7) ; v3(98.49,174.35) 97.73,175.11 C531.2 ; v1(96.96,157.1) 97.45,156.61 C290.1 ; R44.2 R45.2 85.78,99.79 85.8,99.78 85.8,99.78 v1(86.29,100.28) 85.8,100.78 C37.2 ; v1(95.3,90.27) 94.86,89.83 C121.2 ; U1.T12 v1(91.3,95.28) ; C135.2 58.19,99.88 v1(57.84,100.23) ; v2(140.27,72.01) 139.26,70.99 C227.2 ; C45.2 76.79,83.78 v1(76.29,84.27) ; v2(140.15,47.22) 140.11,47.18 C312.2 138.66,47.18 v3(138.53,47.31) ; v1(90.3,101.28) 89.87,100.85 C12.2 ; C339.2 70.95,26.28 71.31,26.64 v3(71.57,26.64) ; C299.1 76.55,161.68 v3(76.26,161.97) ; C329.2 149.29,46.84 v2(149.04,46.58) ; C90.2 85.74,93.84 v1(85.29,94.28) 84.86,94.72 C76.2 ; v2(43.6,62.69) C203.2 ; v2(43.6,64.97) C204.2 ; v1(93.3,90.27) U1.M10 C78.2 92.74,90.84 v1(92.3,91.27) 92.31,91.28 C67.2 92.3,92.28 v1(91.3,93.28) ; U1.T10 v1(93.3,95.28) ; C80.2 91.74,89.84 v1(91.3,90.27) ; v1(50.31,62.05) 50.9,62.05 C220.2 ; C222.2 55.48,71.28 v1(55.44,71.24) ; v1(84.29,96.28) 84.79,96.78 C79.2 ; C189.2 62.26,87.75 v1(61.84,88.17) ; v1(57.84,112.3) 57.94,112.2 C158.2 ; C165.2 57.51,75.77 v1(57.84,76.1) ; v3(69.69,154.23) 69.77,154.23 69.86,154.14 U12.2 ; C295.1 90.14,161.68 v3(89.85,161.97) ; C34.2 77.88,91.69 v1(77.29,92.28) ; R180.2 140.66,47.75 v2(140.16,48.25) 140.66,48.74 R174.1 R176.1 R178.1 ; v1(57.84,88.17) 57.76,88.09 C179.2 ; v1(99.3,95.28) 99.74,94.84 C100.1 ; C270.1 49.37,161.55 v3(49.08,161.84) ; v1(95.3,94.28) 94.86,93.84 C108.2 ; v2(145.99,48.62) 146.08,48.7 C334.2 ; R41.1 81.78,79.76 v1(81.29,79.28) 81.44,79.13 C5.2 ; C194.2 57.51,63.71 v1(57.84,64.04) ; v1(99.3,93.28) 99.74,93.72 C101.1 ; v1(57.84,71.24) 57.76,71.32 C196.2 ; C114.2 97.8,89.77 v1(97.3,89.28) 97.8,88.78 C125.1 ; v1(95.3,97.28) 94.86,96.84 C111.2 ; v1(84.29,80.27) 84.79,79.78 R43.1 ; v3(75.63,174.35) 74.87,175.11 C533.2 ; v3(56.07,154.15) 56.21,154.02 U11.2 ; v1(88.29,95.28) 88.53,95.52 L2.1 90.06,95.52 v1(90.3,95.28) ; v3(10.35,61.95) 10.35,61.7 10.71,61.34 R267.1 ; v2(43.6,69.55) C202.2 ; C304.1 95.73,166.5 J10.2 96.42,165.81 C310.1 ; v2(140.02,96.33) C235.2 ; v2(141.91,117.58) 141.8,117.58 141.38,117.15 C240.2 ; R363.2 v3(77.28,177.65) ; v1(91.3,88.28) 91.8,88.77 C70.2 91.8,88.78 v1(92.3,89.28) ; v1(83.29,94.28) 82.86,93.85 C91.2 ; C538.1 42.58,27.5 v3(43.12,28.04) ; v3(71.77,154.23) 71.86,154.14 U12.5 ; C331.2 141.14,39.2 141.42,39.47 v2(141.8,39.47) ; v1(99.3,101.28) 99.74,100.84 C92.2 ; v1(55.44,64.04) 55.86,63.62 C192.2 ; C95.2 U1.C6 v1(97.3,81.27) ; v3(81.73,119.35) 81.69,119.32 C7.2 ; v1(83.3,95.28) 82.86,94.84 C89.2 ; v1(83.3,87.28) 83.8,86.78 C1.2 ; v1(134.38,92.56) 134.6,92.34 C239.2 ; v3(62.67,161.97) 62.96,161.68 C274.1 ; C126.1 v1(95.3,86.28) ; v1(59.44,71.24) 59.72,71.52 C195.2 ; v1(86.29,95.28) U1.T16 v1(87.29,94.28) 87.29,94.22 C75.2 U1.R15 v1(88.29,93.28) 88.42,93.15 C68.2 87.42,91.27 v1(87.29,91.27) ; R277.2 v3(44.72,83.67) ; v2(144.09,96.86) 144.12,96.89 C233.2 ; R358.2 v3(100.52,177.65) ; v1(91.3,97.28) 91.74,96.85 C82.2 ; v2(43.6,67.26) C205.2 ; v1(87.29,96.28) 86.8,96.78 U1.V16 86.8,96.78 v1(86.3,97.28)
  BOTTOM w0.381: v1(50.64,107.44) 50.73,107.52 C137.2 ; C143.2 61.04,101.65 v1(61.04,101.83) ; v1(57.84,100.23) 57.58,100.49 C140.2 ; v1(55.44,100.23) 55.22,100.45 C138.2 ; R193.1 71.19,21.32 71.57,21.7 v3(71.57,22.45) ; v1(50.64,83.31) 50.73,83.39 C163.2 ; C389.2 12.69,93.75 12.39,93.45 v3(12.26,93.45) ; C162.2 60.15,80.82 v1(60.24,80.91) ; v1(60.24,88.17) 60.23,88.17 R65.1 ; v1(55.44,83.31) 55.73,83.6 C167.2 ; R58.2 53.76,112.22 v1(53.84,112.3) 53.84,112.46 C160.2 ; C419.2 13.05,65.23 13.53,64.74 13.53,64.62 v3(13.66,64.49) ; R211.1 12.53,119.46 12.39,119.61 v3(12.26,119.61) ; v1(61.04,69.64) 61.53,70.14 61.53,70.17 C219.2 ; C191.2 60.15,68.76 v1(60.24,68.84) ; C136.2 60.15,104.95 v1(60.24,105.04) ; C134.2 53.84,100.39 v1(53.84,100.23) 53.76,100.15 R56.2 ; C43.2 80.8,104.79 v1(81.29,105.28) ; C166.2 57.84,83.3 v1(57.84,83.31) ; C351.2 74.32,24.83 74.11,24.61 v3(74.11,24.49) ; R15.2 92.81,101.79 v1(93.3,102.28) ; v1(60.24,95.37) 60.12,95.48 C190.2 ; C17.2 86.79,83.78 v1(86.29,84.27) 85.81,83.79 R39.1 ; v1(60.24,113.1) 60.14,113 C152.2 ; v1(57.84,107.44) 57.84,107.43 C141.2 ; C10.2 86.8,87.77 v1(86.29,88.28) ; C176.2 53.84,88.33 v1(53.84,88.17) 53.76,88.09 R63.2 ; C11.2 87.8,87.78 v1(88.29,88.28) ; C177.2 52.76,83.59 v1(53.04,83.31) ; v1(60.24,77.7) 60.24,77.23 C171.2 ; v1(45.23,88.6) 44.94,88.89 C441.2 ; v1(61.84,112.3) 61.84,111.82 C154.2 ; v1(63.44,117.9) 63.89,118.35 C155.2 ; v1(79.29,101.28) U1.AB23 C36.2 ; C31.2 U1.F26 v1(76.29,84.27) ; v1(63.44,81.71) 63.89,82.16 C170.2 ; C147.2 52.76,107.72 v1(53.04,107.44) ; v1(50.64,95.37) 50.73,95.46 C182.2 ; R46.1 78.78,104.77 v1(78.29,104.28) U1.AE24 C38.2 ; v1(61.04,93.77) 61.04,93.86 61.65,94.48 C175.2 ; v1(55.44,95.37) 55.73,95.66 C183.2 ; C168.2 61.84,75.63 v1(61.84,76.1) ; R231.2 11.54,93.87 v3(11.12,93.45) ; C404.2 12.69,36.35 12.39,36.04 v3(12.26,36.04) ; v2(145.99,46.58) 145.61,46.2 C332.2 ; C200.2 63.89,70.09 v1(63.44,69.64) ; C187.2 60.56,89.45 v1(60.24,89.77) ; R8.2 90.78,100.79 v1(90.3,101.28) ; v3(10.1,36.04) 9.85,36.04 9.09,36.8 R242.1 ; C198.2 61.04,65.46 v1(61.04,65.64) ; v1(60.24,100.23) 60.23,100.23 R57.1 ; v1(95.3,85.28) U1.G8 C20.2 ; C333.2 142.79,53.33 v3(142.69,53.44) ; C153.2 57.76,119.42 v1(57.84,119.5) ; C72.2 87.29,91.22 v1(87.29,91.27) ; R62.2 63.49,89.72 v1(63.44,89.77) ; v1(61.04,113.9) 61.04,113.72 C157.2 ; v1(92.3,105.28) 92.8,104.78 R11.2 ; C144.2 63.89,106.29 v1(63.44,105.84) ; v3(10.1,122.15) 9.47,122.15 9.09,122.53 R205.1 ; v1(61.84,100.23) 61.84,99.76 C139.2 ; C188.2 63.89,94.22 v1(63.44,93.77) ; v1(61.04,77.7) 61.04,77.52 C169.2 ; v1(79.29,90.27) 79.78,90.76 R54.1 ; v1(61.04,81.71) 61.04,81.8 61.65,82.41 C173.2 ; C156.2 60.12,119.61 v1(60.24,119.5) ; v1(60.24,83.31) 60.12,83.42 C172.2 ; C148.2 60.15,117.02 v1(60.24,117.1) ; v3(10.35,64.49) 10.1,64.49 9.34,65.25 R256.1 ; v1(50.64,119.5) 50.73,119.59 C150.2 ; C42.2 77.09,95.48 v1(77.29,95.28) ; v1(55.44,88.17) 55.22,88.39 C181.2 ; C180.2 60.15,92.89 v1(60.24,92.97) 60.31,93.04 C185.2 ; v1(78.29,88.28) 78.79,87.78 C32.2 ; v2(141.91,148.48) 141.75,148.48 141.36,148.88 C255.2 ; v1(60.24,71.24) 60.81,71.81 C201.2 ; C174.2 53.84,76.26 v1(53.84,76.1) 53.76,76.02 R64.2 ; v1(60.24,64.04) 60.23,64.04 R98.1 ; R66.1 60.23,76.1 v1(60.24,76.1) ; v1(61.84,64.04) 61.84,63.56 C197.2 ; R206.2 11.54,122.58 v3(11.12,122.15) ; v1(83.29,83.28) U1.E19 C23.2 ; C145.2 60.12,107.55 v1(60.24,107.44) ; v1(88.29,104.28) 87.8,103.78 C14.2 ; v1(55.44,107.44) 55.73,107.73 C142.2 ; C18.2 U1.H8 v1(95.3,86.28) ; v1(95.29,83.28) 95.46,83.44 C16.2 ; v1(60.24,101.83) 60.24,101.36 C146.2 ; C33.2 U1.AA26 v1(76.29,100.28) ; C149.2 55.22,112.52 v1(55.44,112.3) ; v1(53.04,95.37) 52.76,95.65 C178.2 ; v1(61.04,105.84) 61.46,106.26 61.46,106.29 C133.2 ; v1(60.24,112.3) 60.23,112.3 R59.1 ; v1(53.04,119.5) 52.76,119.78 C161.2 ; C186.2 57.58,88.43 v1(57.84,88.17) ; v3(11.12,36.04) 11.54,36.47 R243.2 ; v1(55.44,76.1) 55.22,76.32 C164.2 ; v1(55.44,119.5) 55.73,119.79 C151.2 ; v1(60.24,65.64) 60.24,65.16 C199.2 ; C314.2 145.61,47.22 v2(145.99,47.6) ; C159.2 61.83,118.69 v1(61.04,117.9) ; C6.2 U1.AD10 v1(93.3,103.28)